# KiCad board inverter.kicad_pcb (continued)
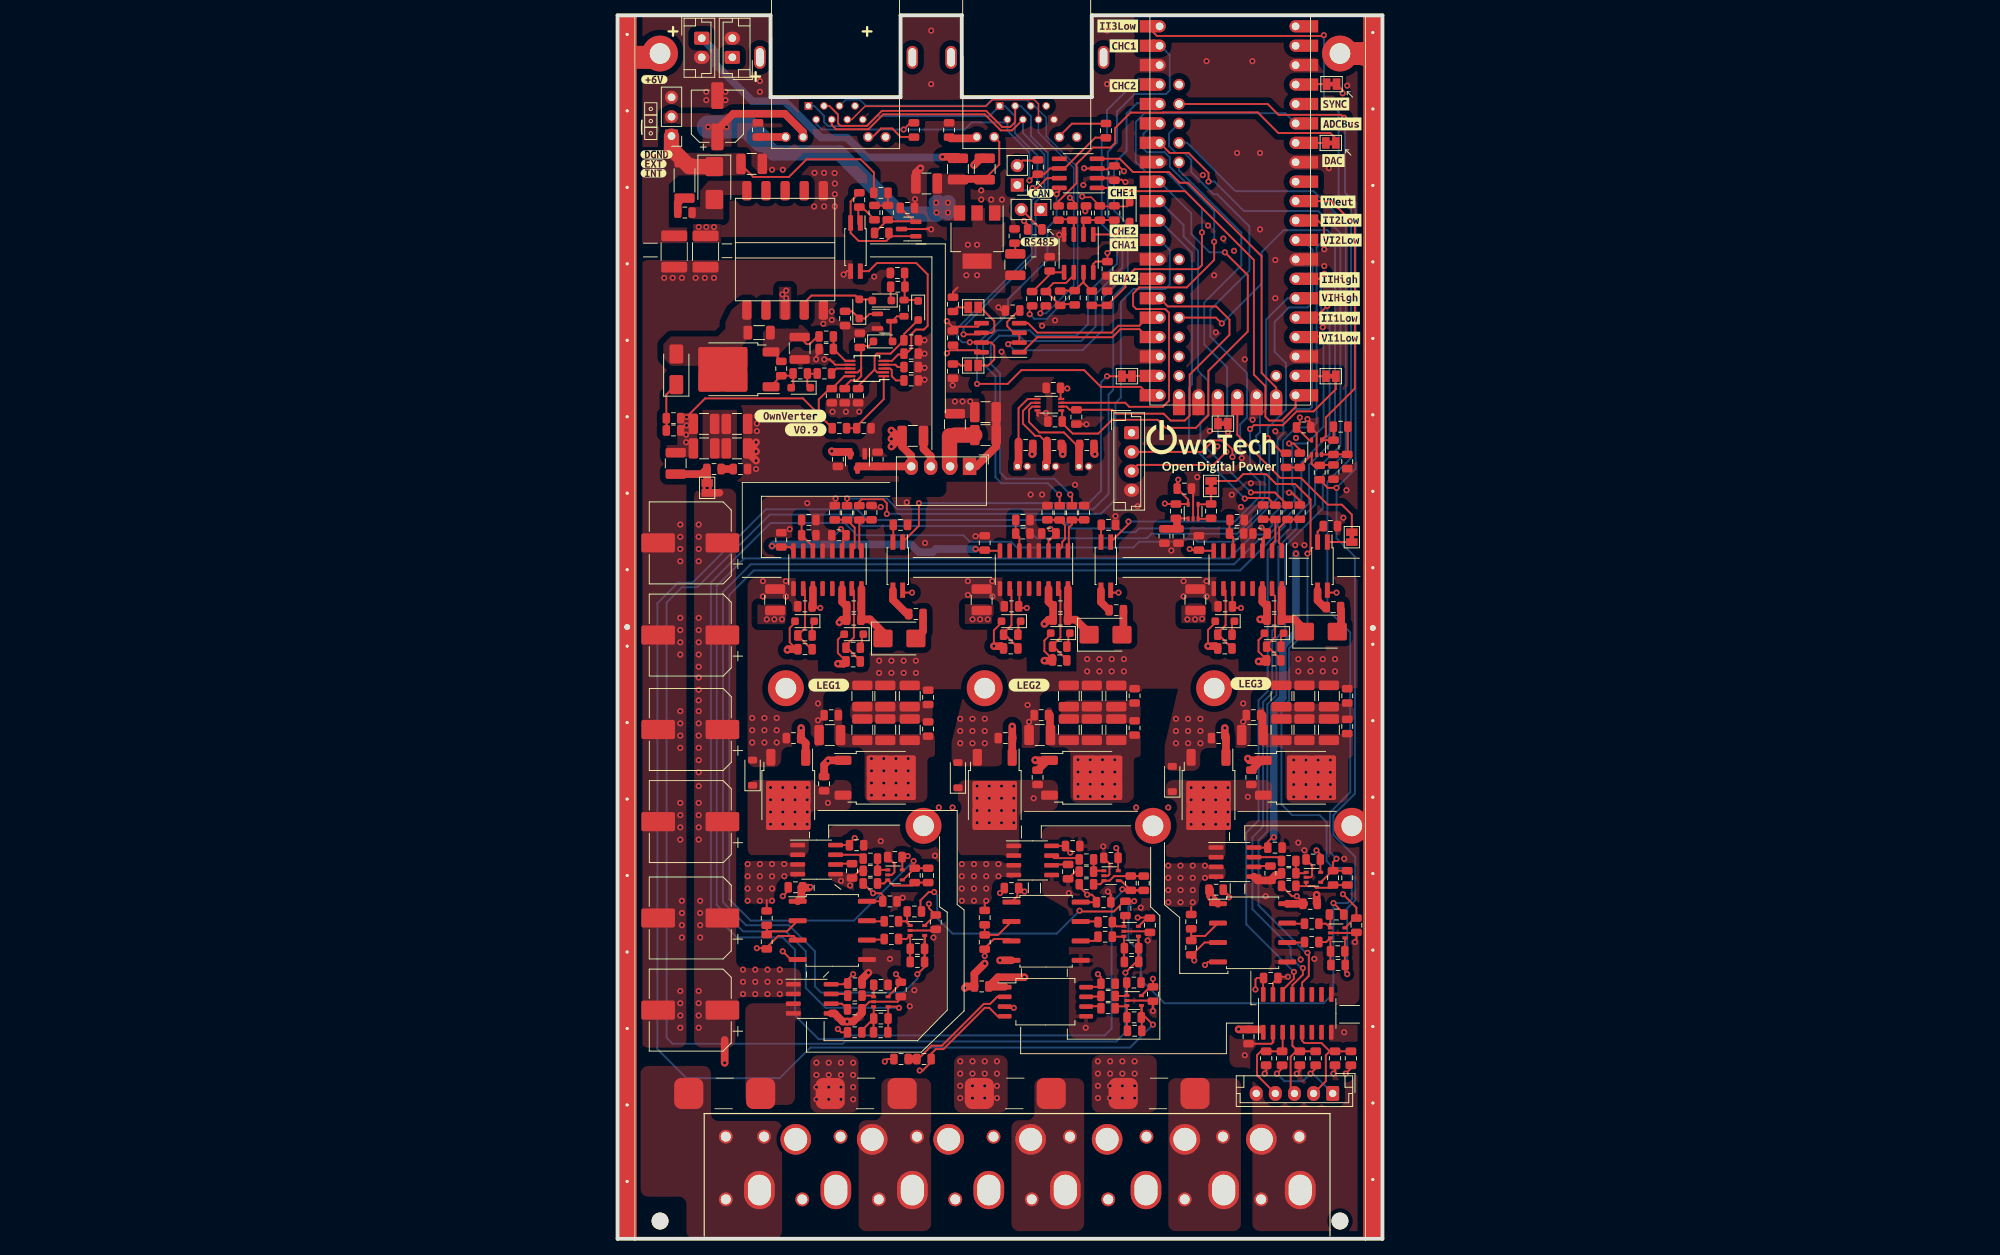
[diagram p0: board, top side]
## Routing (per net, layer and track width the routed paths; a pad name or vN(x,y) marks a point on that pad's centre or on a via; arc(x,y) is an arc through that point) (continued)
  Bottom w0.25: v1(78,130.4) 78,134.4 72.2,140.2 72.2,141.4 71.5,142.1 69.2,142.1 68.75,142.55 68.75,144.5 70.11,145.86 U401.6
/MCU/USART3_DE: length 57.4
  Top w0.25: R412.1 52.45,121.4 50.95,119.9 50.95,119.34 51.81,118.47 U405.3 U405.2 51.27,117.2 v1(51.06,116.99)
  Bottom w0.25: v1(51.06,116.99) 51.85,116.2 60.8,116.2 63.4,118.8 63.4,123.05 66.7,126.35 66.7,132.7 64.9,134.5 64.9,140.6 66.55,142.25 66.55,147.15 67.9,148.5 70.77,148.5 U401.5
/MCU/USART3_RX: length 18.4
  Top w0.25: 69.26,117.92 68.23,118.95 65.75,118.95 64.7,117.9 54.87,117.9 52.9,115.93 U405.1
/MCU/USART3_TX: length 18.1
  Top w0.25: U405.4 53.66,119.74 54.9,118.5 64.58,118.5 65.48,119.4 68.21,119.4 U401.16
/Phase1/I_Hall: length 3.8
  Top w0.25: R618.1 31.61,50.22 U605.7
/Phase1/PWM_H: length 10.7
  Top w0.25: 29.94,77.6 29.94,77.36 31.5,75.8 31.74,75.8 ; U603.15 30.9,84.74 30.9,78.64 29.86,77.6 ; 29.86,77.8 29.94,77.8
/Phase1/PWM_L: length 9.3
  Top w0.25: 25.44,77 23.56,78.88 23.56,79 23.65,79 24.5,79.85 24.5,84.79 U603.10
/Phase1/SW_Node: length 31.5
  Top w1: U603.14 29.34,83.31 C612.2 C615.2 29.36,80.96 v1(29,80.6)
  In2.Cu w1: v1(27.5,57.01) 27.5,57.1 31.2,60.8 31.2,78.4 v1(29,80.6)
  vias: v1(20,59.01) v1(20,57.41) v1(20,55.81) v1(20,54.21) v1(21.6,59.01) v1(21.6,57.41) v1(21.6,55.81) v1(21.6,54.21) v1(23.2,59.01) v1(23.2,57.41) v1(23.2,55.81) v1(23.2,54.21) v1(24.8,59.01) v1(24.8,57.41) v1(24.8,55.81) v1(24.8,54.21)
/Phase1/V_{ILow+}: length 5.9
  Top w0.25: R616.2 R617.1 ; U601.2 22.16,40.2 19.7,40.2 19.5,40.4
/Phase2/I_Hall: length 3.8
  Top w0.25: R718.1 60.2,49.78 57.08,49.78 U705.7
/Phase2/PWM_H: length 10.5
  Top w0.25: 58.74,76 58.46,76 56.86,77.6 57.9,78.64 57.9,84.74 U703.15
/Phase2/PWM_L: length 8.9
  Top w0.25: 52.34,77.6 52.06,77.6 50.46,79.2 51.5,80.24 51.5,84.79 U703.10
/Phase2/SW_Node: length 30.7
  Top w1: v1(55.8,80.4) 56.36,80.96 C715.2 C712.2 56.34,83.31 U703.14
  In2.Cu w1: v1(54.4,57.6) 57.8,61 57.8,77.2 55.8,79.2 v1(55.8,80.4)
  vias: v1(47,59.2) v1(47,57.6) v1(47,56) v1(47,54.4) v1(48.6,59.2) v1(48.6,57.6) v1(48.6,56) v1(48.6,54.4) v1(50.2,59.2) v1(50.2,57.6) v1(50.2,56) v1(50.2,54.4) v1(51.8,59.2) v1(51.8,57.6) v1(51.8,56) v1(51.8,54.4)
/Phase2/V_{ILow+}: length 5.6
  Top w0.25: U701.2 49.75,39.74 R717.1 R716.2
/Phase3/I_Hall: length 3.8
  Top w0.25: R818.1 86.31,49.9 U805.7
/Phase3/PWM_H: length 10.6
  Top w0.25: U803.15 85.72,84.88 85.72,84.28 85.97,84.03 85.97,78.7 84.86,77.6 86.46,76 86.74,76
/Phase3/PWM_L: length 8.9
  Top w0.25: U803.10 79.5,84.74 79.5,80.24 78.46,79.2 ; 78.46,79.1 80.06,77.5 ; 80.06,77.6 80.34,77.6
/Phase3/SW_Node: length 31.2
  Top w1: U803.14 84.3,83.31 C812.2 C815.2 84.86,81 v1(84,81)
  In2.Cu w1: v1(84,81) 83.6,80.6 83.6,78 86.2,75.4 86.2,63.85 82.4,60.05 v1(82.4,57.8)
  vias: v1(75,59) v1(75,57.4) v1(75,55.8) v1(75,54.2) v1(76.6,59) v1(76.6,57.4) v1(76.6,55.8) v1(76.6,54.2) v1(78.2,59) v1(78.2,57.4) v1(78.2,55.8) v1(78.2,54.2) v1(79.8,59) v1(79.8,57.4) v1(79.8,55.8) v1(79.8,54.2)
/Phase3/V_{ILow+}: length 5.7
  Top w0.25: 75,39.6 76.82,39.6 U801.2 ; R816.2 R817.1
/V_{I1Low_sense}: length 194.7
  Top w0.25: U604.4 40.15,39.4 ; 40.15,39.4 40.15,37.93 ; 40.15,39.4 40.15,35.55 v1(39.2,34.6) ; v1(87.8,104) 88.4,104 89.2,103.2 R490.2 ; R615.2 C610.2 ; U401.24 88.73,118 v1(92.2,118)
  Bottom w0.25: v1(92.2,118) 92.3,117.9 92.3,106.2 90.1,104 v1(87.8,104) 88.2,103.6 88.2,98.6 88.53,98.28 88.53,96.53 86.3,94.3 86.3,93.2 84.5,91.4 83.8,91.4 80.6,88.2 17.4,88.2 13.78,84.58 13.78,44.02 16.8,41 22.4,41 25.8,37.6 25.8,33 26.6,32.2 37.4,32.2 39.2,34 v1(39.2,34.6)
/V_{I2Low_sense}: length 265.4
  Top w0.25: v1(66.4,34.8) 68.1,36.5 U704.4 68.1,36.24 R715.2 ; R491.2 86.96,102.74 v1(85,104.7)
  Bottom w0.25: U401.29 89.57,130.62 90.85,129.34 90.85,122.42 90.22,121.8 87.8,121.8 85.9,119.9 85.9,116 87.4,114.5 87.4,108.44 85,106.04 v1(85,104.7) 85.2,104.5 85.2,96.4 81,92.2 69.8,92.2 69.2,91.6 54.8,91.6 53.2,93.2 32,93.2 30.5,94.7 19.9,94.7 10.4,85.2 8.4,85.2 6.4,83.2 6.4,26.3 7.2,25.5 29.44,25.5 29.74,25.8 65.2,25.8 66.4,27 v1(66.4,34.8)
/V_{I3Low_sense}: length 147.2
  Top w0.25: v1(95,146.6) 94.62,146.99 86.41,146.99 85,148.4 U401.42 ; v1(94,98.2) 92.86,98.2 R492.2 ; 95.1,35.84 U804.4 ; v1(95.4,34.6) 95.14,34.86 R815.2
  Bottom w0.25: v1(95.4,34.6) 95.4,43.21 96.45,44.26 96.45,49.95 93.6,52.8 93.6,55.4 96.4,58.2 96.4,89.2 94,91.6 v1(94,98.2) 96.5,100.7 96.5,135.4 95.1,136.8 95.1,146.5 v1(95,146.6)
/V_{IHigh_sense}: length 250.9
  Top w0.25: v1(70,28) 68.49,29.51 U203.4 68.54,30.45 C207.2
  Bottom w0.25: v1(70,28) 67,25 25.2,25 21.2,21 9,21 5.2,24.8 5.2,83.1 7.9,85.8 9.8,85.8 19.4,95.4 31.3,95.4 32.7,94 58.2,94 59.3,92.9 65.5,92.9 66,92.4 67.7,92.4 68.2,92.9 80.6,92.9 84.6,96.9 84.6,99.8 84,100.4 84,103.7 83.5,104.2 83.5,105 84,105.5 84,107.7 84.8,108.5 84.8,120.2 87.6,123 U401.26
/V_{IHigh}: length 41.1
  Top w0.25: R201.1 35.26,23.5 v1(34.94,23.18)
  Top w1: 29.09,65.93 C609.1 ; C709.1 56.54,65.94 56.54,68.47 ; 84.34,68.47 84.34,65.94 C809.1 ; JP501.1 13.31,97.55 ; v1(14,23) 14,26
  In2.Cu w0.25: v1(14,23) 20.5,16.5 34,16.5 35,17.5 35,23.12 v1(34.94,23.18)
  vias: v1(10.6,93.4) v1(10.6,91.8) v1(10.6,90.2) v1(10.6,88.6) v1(10.6,81.2) v1(10.6,79.6) v1(10.6,78) v1(10.6,76.4) v1(10.6,74.8) v1(10.6,73.4) v1(10.6,71.8) v1(10.6,70.4) v1(10.6,69) v1(10.6,67.4) v1(10.6,65.8) v1(10.6,64.2) v1(10.6,62.6) v1(10.6,61) v1(10.6,59.2) v1(10.6,57) v1(10.6,55.4) v1(10.6,53.8) v1(10.6,52.2) v1(10.6,32.4) v1(10.6,30.8) v1(10.6,29.2) v1(10.6,27.6) v1(10.8,44.2) v1(10.8,42.6) v1(10.8,41) v1(10.8,39.4) v1(16.4,35.2) v1(16.4,33.6) v1(16.4,32) v1(18,35.2) v1(18,33.6) v1(18,32) v1(19.6,35.2) v1(19.6,33.6) v1(19.6,32) v1(21.2,35.2) v1(21.2,33.6) v1(21.2,32) v1(33.2,62.8) v1(33.2,61.2) v1(33.2,59.6) v1(33.2,58) v1(34.8,62.8) v1(34.8,61.2) v1(34.8,59.6) v1(34.8,58) v1(36.4,62.8) v1(36.4,61.2) v1(36.4,59.6) v1(36.4,58) v1(38,62.8) v1(38,61.2) v1(38,59.6) v1(38,58) v1(60.2,62.64) v1(60.2,61.04) v1(60.2,59.44) v1(60.2,57.84) v1(61.8,62.64) v1(61.8,61.04) v1(61.8,59.44) v1(61.8,57.84) v1(63.4,62.64) v1(63.4,61.04) v1(63.4,59.44) v1(63.4,57.84) v1(65,62.64) v1(65,61.04) v1(65,59.44) v1(65,57.84) v1(88.4,62.6) v1(88.4,61) v1(88.4,59.4) v1(88.4,57.8) v1(90,62.6) v1(90,61) v1(90,59.4) v1(90,57.8) v1(91.6,62.6) v1(91.6,61) v1(91.6,59.4) v1(91.6,57.8) v1(93.2,62.6) v1(93.2,61) v1(93.2,59.4) v1(93.2,57.8)
/VRef: length 165.8
  Top w0.25: v1(60.4,42.9) 60.5,42.8 64.9,42.8 66.25,44.15 v1(67.55,44.15) ; R613.1 39.6,42.94 39.6,44.26 40.68,45.34 v1(41.4,45.34) ; JP502.2 80.9,99.1 81.8,100 84.8,100 86.1,98.7 88.6,98.7 90.6,96.7 90.6,90 v1(90.2,89.6) ; R813.1 94.94,42.56 v1(93.6,43.9)
  Bottom w0.25: v1(67.55,44.15) 66.8,43.4 66.8,39 68.4,37.4 68.4,33.9 71.5,30.8 92.3,30.8 93.6,32.1 v1(93.6,43.9) 95.45,43.9 96,44.45 96,47.5 95,48.5 93.6,48.5 92.7,49.4 92.7,54.5 91.8,55.4 88.2,55.4 86.8,56.8 86.8,69.4 87.8,70.4 87.8,77.2 90.2,79.6 v1(90.2,89.6) ; v1(41.4,45.34) 41.8,44.94 41.8,41.9 43.8,39.9 57.4,39.9 v1(60.4,42.9)
/~{STBY1}: length 47.7
  Top w0.25: v1(64,112.8) JP402.2 ; v1(39.4,96.2) 39.4,93.24 U602.1
  Bottom w0.25: v1(39.4,96.2) 61.6,96.2 63.2,97.8 63.2,112 v1(64,112.8)
/~{STBY2}: length 46.6
  Top w0.25: v1(82.7,105.9) 83.2,106.4 86.98,106.4 88.78,108.2 91,108.2 93.9,111.1 JP404.2 ; v1(66.8,93.8) 66.8,93.44 U702.1
  Bottom w0.25: v1(66.8,93.8) 80.7,93.8 84,97.1 84,99 82.7,100.3 v1(82.7,105.9)
/~{STBY3}: length 2.8
  Top w0.25: U802.1 95.51,91.11 95.6,91.2
Earth_Protective: length 6.6
  Top w3: 2.3,154.5 5.05,154.5 H107.1 ; H108.1 97.5,155 97.6,154.9
MOSS: length 4.3
  Top w0.25: 21.05,115.17 20.24,115.98 ; R510.1 24.72,117 25.11,117 26.11,118
Net-(#FLG0504-pwr): length 6.6
  Top w2: PS501.2 43.4,101.08 43.4,105 ; C525.1 L503.2
Net-(#FLG0601-pwr): length 8.5
  Top w1: D605.1 34.7,79.3 33,81 31.86,81 C615.1 31.89,81.02 U603.16
Net-(#FLG0701-pwr): length 7.5
  Top w1: 61.05,79 61.05,79.82 59.9,80.96 C715.1 ; U703.16 58.89,81.02
Net-(#FLG0801-pwr): length 7.9
  Top w0.25: 86.84,81.02 C815.1
  Top w1: U803.16 86.84,81.02 88.48,81.02 89.8,79.7 D805.1
Net-(C411-Pad1): length 7.7
  Top w0.25: 57.78,124 59.5,124 59.67,124.17 ; R470.2 60.92,125.02 U406.7 60.92,125.15 C411.1
Net-(C501-Pad2): length 1.6
  Top w1: C502.1 C501.2
Net-(C518-Pad2): length 2.4
  Top w1: C518.2 7.86,135.46 8.49,136.09 R513.1
Net-(C523-Pad2): length 1.2
  Top w0.25: C523.2 52,130
Net-(D403-A): length 5.5
  Top w0.25: U406.1 65.15,131.34 66.95,133.14
Net-(D501-A): length 14.3
  Top w0.25: 33.6,113.66 33.6,115.45 33.9,115.75 35.69,115.75 NTC501.1 37.44,118.29 D501.2 ; 33.6,113.66 31.45,111.51 ; 33.6,113.66 33.96,113.3 U501.2
Net-(D502-A): length 4.8
  Top w0.25: 37.55,120.64 36.54,120.64 35.7,119.8 35.7,117.6 D502.2
Net-(D503-A): length 5.5
  Top w0.25: 22.97,113.02 22.97,111.38 22.9,111.3 ; 19.96,111.42 R508.2 22.68,112.86 22.97,113.16
Net-(D503-K): length 3.3
  Top w0.25: 26.12,113.12 24.84,113.12 24.8,113.16 24.8,111.5 25,111.3
Net-(D504-K): length 7.3
  Top w0.25: D504.1 6.37,110.4 C514.2 ; 6.4,106.55 6.4,105.71 ; 6.4,107.12 6.4,105.56
Net-(D505-A): length 10.6
  Top w0.25: T501.2 24.4,122.4 25.35,123.35 31.1,123.35 D506.2 32.8,122.85 33.3,122.35
Net-(D505-K): length 1.8
  Top w0.25: R511.2 35.7,122.8 D505.1
Net-(D506-K): length 4.9
  Top w0.25: R512.1 30.66,121.29 D506.1 32.35,120.35 32.95,120.95 Q501.1
Net-(D601-A): length 23.6
  Top w0.25: 23.56,77 23.5,77 22.5,78 22.5,79.87 23.4,80.76
  Top w1: v1(24,66.8) 24,65.54 R608.2 24.6,64.81 24.6,64.72 ; R604.2 22.3,77.1 v1(22.2,77) ; Q602.1 24.59,64.52
  In2.Cu w1: v1(24,66.8) 21.2,69.6 20.5,69.6 19.4,70.7 19.4,74.2 v1(22.2,77)
Net-(D601-K): length 1.8
  Top w0.25: 25.44,79 25.44,80.7 25.5,80.76
Net-(D602-A): length 24.1
  Top w0.25: 29.71,79.26 28.8,78.35 28.8,76.6 29.86,75.54 R602.2
  Top w1: R602.2 29.56,75.2 v1(28.8,75.2) ; Q601.1 27.59,62.57 v1(27.5,62.47) 27,61.97 R607.2
  In2.Cu w1: v1(28.8,75.2) 29.8,74.2 29.8,64.78 v1(27.5,62.47)
Net-(D602-K): length 1.5
  Top w0.25: 31.93,79.26 31.93,77.99 31.74,77.8
Net-(D605-A): length 3.4
  Top w1: 39.94,81.5 39.94,79.44 D605.2
Net-(D701-A): length 26.1
  Top w0.25: 50.46,77.3 R704.2 ; 50.4,80.76 49.2,79.57 v1(49.2,77.5)
  Top w1: v1(49.2,77.5) 50.16,77.5 R704.2 ; v1(51.6,67) 51.6,65.51 R708.2 51.59,65.43 Q702.1
  In2.Cu w1: v1(49.2,77.5) 48,77.5 45.2,74.7 45.2,71.2 46.9,69.5 49.1,69.5 v1(51.6,67)
Net-(D701-K): length 1.6
  Top w0.25: 52.34,79.2 52.4,79.26 52.4,80.67 52.5,80.76
Net-(D702-A): length 24
  Top w0.25: 56.86,76 56.65,76 55.8,76.85 55.8,78.23 56.83,79.26
  Top w1: v1(54.6,62.6) 54.63,62.57 Q701.1 56.21,62.57 R707.2 ; 56.86,76 56.86,75.7 56.76,75.6 v1(55.8,75.6)
  In2.Cu w1: v1(54.6,62.6) 55,62.6 56.5,64.1 56.5,74.9 v1(55.8,75.6)
Net-(D702-K): length 1.7
  Top w0.25: 58.93,79.2 58.93,77.73 58.74,77.54
Net-(D705-A): length 3.5
  Top w1: R714.1 66.14,79.79 65.35,79
Net-(D801-A): length 23.3
  Top w0.25: 78.35,80.76 77.2,79.62 v1(77.2,77.5)
  Top w1: v1(79.4,66.8) 79.4,65.6 R808.2 79.55,65.45 Q802.1 ; v1(77.2,77.5) 78.16,77.5 R804.2
  In2.Cu w1: v1(79.4,66.8) 79.4,68 77.9,69.5 76.4,69.5 75.1,70.8 75.1,75.4 v1(77.2,77.5)
Net-(D801-K): length 1.6
  Top w0.25: 80.34,79.2 80.34,80.65 80.45,80.76
Net-(D802-A): length 23.6
  Top w0.25: 84.78,79.26 83.8,78.28 83.8,76.8 84.6,76 84.86,76
  Top w1: 84.86,75.7 84.66,75.5 v1(83.8,75.5) ; v1(82.4,62.8) 82.63,62.57 Q801.1 84.16,62.57 R807.2
  In2.Cu w1: v1(82.4,62.8) 84.6,65 84.6,74.7 v1(83.8,75.5)
Net-(D802-K): length 1.8
  Top w0.25: 86.74,79.12 86.88,79.26 86.82,79.2 ; 86.74,77.53 86.74,79.05
Net-(D805-A): length 3.1
  Top w1: D805.2 94.6,79.9 94.6,82.26
Net-(F601-Pad1): length 1.4
  Top w0.25: R616.1 19.5,44.3
  vias: v1(17,49) v1(17,47.4) v1(17,45.8) v1(17,44.2) v1(18.6,49) v1(18.6,47.4) v1(18.6,45.8) v1(18.6,44.2) v1(20.2,49) v1(20.2,47.4) v1(20.2,45.8) v1(20.2,44.2) v1(21.8,49) v1(21.8,47.4) v1(26,23.03) v1(26,21.43) v1(26,19.83) v1(26,18.23) v1(27.6,23.03) v1(27.6,21.43) v1(27.6,19.83) v1(27.6,18.23) v1(29.2,23.03) v1(29.2,21.43) v1(29.2,19.83) v1(29.2,18.23) v1(30.8,23.03) v1(30.8,21.43) v1(30.8,19.83) v1(30.8,18.23)
Net-(F701-Pad1): length 1.3
  Top w0.25: R716.1 48,44.2
  vias: v1(44.8,23.2) v1(44.8,21.6) v1(44.8,20) v1(44.8,18.4) v1(45,49) v1(45,47.4) v1(45,45.8) v1(45,44.2) v1(46.4,23.2) v1(46.4,21.6) v1(46.4,20) v1(46.4,18.4) v1(46.6,49) v1(46.6,47.4) v1(46.6,45.8) v1(46.6,44.2) v1(48,23.2) v1(48,21.6) v1(48,20) v1(48,18.4) v1(48.2,49) v1(48.2,47.4) v1(48.2,45.8) v1(48.2,44.2) v1(49.6,23.2) v1(49.6,21.6) v1(49.6,20) v1(49.6,18.4) v1(49.8,49) v1(49.8,47.4)
Net-(F801-Pad1): length 1
  Top w0.25: R816.1 75,43.4
  vias: v1(62.8,23.2) v1(62.8,21.6) v1(62.8,20) v1(62.8,18.4) v1(64.4,23.2) v1(64.4,21.6) v1(64.4,20) v1(64.4,18.4) v1(66,23.2) v1(66,21.6) v1(66,20) v1(66,18.4) v1(67.6,23.2) v1(67.6,21.6) v1(67.6,20) v1(67.6,18.4) v1(72,48.8) v1(72,47.2) v1(72,45.6) v1(72,44) v1(73.6,48.8) v1(73.6,47.2) v1(73.6,45.6) v1(73.6,44) v1(75.2,48.8) v1(75.2,47.2) v1(75.2,45.6) v1(75.2,44) v1(76.8,48.8) v1(76.8,47.2)
Net-(J401-Pin_1): length 40.8
  Top w1: 44.5,141.49 v1(42.49,141.49)
  Bottom w1: 42.4,141.4 32.6,141.4 30,144 26.6,144 21.82,148.78 17.62,148.78 12.8,153.6 12.8,155.2 J401.1
Net-(J402-Pin_1): length 45.2
  Top w1: 48,141.4 47.6,141.4 v1(46.6,140.4)
  In2.Cu w1: v1(46.6,140.4) 43.4,143.6 41.4,143.6 39.4,141.6 20.6,141.6 16.8,145.4 16.8,152.7 J402.1
Net-(J403-Pad9): length 3.5
  Top w1: 18.35,144.09 21.86,144.09 21.87,144.09
Net-(J403-Pad11): length 7
  Top w0.25: 32.66,144.09 33.34,144.09 34.45,145.2 35.9,145.2 37.01,144.09 38.75,144.09
Net-(J404-Pad9): length 3.4
  Top w1: 46.87,144.09 46.68,143.9 43.54,143.9
Net-(J404-Pad11): length 6.9
  Top w0.25: 57.66,144.09 59.4,145.82 63.85,145.82
Net-(JP401-B): length 3.1
  Top w0.25: 55.06,141 52.92,141 JP401.2
Net-(JP403-B): length 3.8
  Top w0.25: JP403.2 55.39,132 R410.1
Net-(JP408-A): length 2.2
  Top w0.25: JP408.1 44.39,121.8 R409.2
Net-(JP409-B): length 2.1
  Top w0.25: R411.1 44.65,114.4 44.85,114.2 JP409.2
Net-(JP417-B): length 46.6
  Top w0.25: 93.9,143 93.9,143.9 93.2,144.6 86.4,144.6 83.7,147.3 71.36,147.3 71.34,147.28 67.12,147.28 67.1,147.3 65.05,145.25 65.05,143.3 64.45,142.7 62.15,142.7 60,140.55 60,138.03 57.65,135.68 R413.1
Net-(JP501-B): length 6.2
  Top w1: JP501.2 11.71,100.62 C501.1 11.01,100 L501.1
Net-(JP502-A): length 6.9
  Top w0.25: 77.56,96.05 U506.4 U506.3 77.54,94.15 ; C531.1 JP502.1
Net-(R514-Pad1): length 3.4
  Top w0.25: 35.34,136.78 35.34,135.11 33.59,135.11
Net-(R514-Pad2): length 5.1
  Top w0.25: 31.47,132.69 31.47,134.92 31.6,135.05 31.83,135.05 33.59,133.28
Net-(R610-Pad2): length 2.3
  Top w0.25: R610.2 36.05,91.16 U602.2
Net-(R614-Pad2): length 4.2
  Top w1: U602.3 36,83.56 38.06,81.5
Net-(R710-Pad2): length 2.3
  Top w0.25: R710.2 63.2,93.31 U702.2
Net-(R714-Pad2): length 3.1
  Top w1: U702.3 63.2,83.26 R714.2
Net-(R810-Pad2): length 2.4
  Top w0.25: R810.2 91.53,92.46 U802.2
Net-(R814-Pad2): length 2.8
  Top w1: R814.2 92.4,82.6 91.53,83.47 U802.3
Net-(U201-VOUTN): length 1.7
  Top w0.25: 61.26,30.41 62.94,30.41
Net-(U201-VOUTP): length 2
  Top w0.25: R203.1 63.13,31.68 61.26,31.68
Net-(U202-FILTER): length 2.4
  Top w0.25: C204.2 29.32,30.74 U202.6
Net-(U203-+): length 3.2
  Top w0.25: R203.2 66.54,31.75 U203.1 66.59,33.47 R205.2
Net-(U203--): length 5
  Top w0.25: R204.2 65.33,30.4 66.49,30.4 U203.3 66.59,27.28 C207.1
Net-(U204-+): length 3.1
  Top w0.25: R211.1 33.49,31.66 U204.1 33.33,31.8 R209.2
Net-(U204--): length 5.6
  Top w0.25: 33.46,27.2 33.46,28.78 C217.1 ; C217.1 31.94,27.25 R210.2 ; C217.1 33.49,30.34
Net-(U406A-+): length 4
  Top w0.25: 59.65,133.32 57.78,133.32 R413.2 ; R417.1 59.65,133 U406.3
Net-(U406A--): length 8
  Top w0.25: 65.28,133.38 65.14,133.24 61.44,133.24 ; 62.92,133.22 65.36,133.22 ; U406.2 60.92,132.96
Net-(U406B-+): length 4.9
  Top w0.25: R419.1 54.28,123.88 56.5,126.1 ; U406.5 56.67,126.39
Net-(U406B--): length 9
  Top w0.25: 59.65,126.01 58.64,125 57,125 56,124 R418.1 56.06,123.88 R415.2 ; 59.67,122.27 59.62,122.22 57.87,122.22
Net-(U490--): length 6.8
  Top w0.25: U490.3 92.06,102.56 R495.2 93.61,102.58 R494.2 95.47,102.65 95.47,106
Net-(U501-CS): length 4.5
  Top w0.25: 28.19,118 28.22,117.96 28.22,116.36 29.78,114.8 U501.6
Net-(U501-DRV): length 2.7
  Top w0.25: 27.95,113.16 28.59,113.8 U501.8
Net-(U501-RT): length 2.8
  Top w0.25: R503.1 37.43,114.01 36.61,114.01 36.32,114.3 U501.4
Net-(U501-SS): length 3.8
  Top w0.25: C508.1 36.4,112.25 35.85,112.8 35.85,113.6 35.65,113.8 U501.3
Net-(U501-UVLO): length 9.6
  Top w0.25: U501.1 34.8,109.8 31.26,106.26 R502.1 R501.2
Net-(U503-K): length 15.5
  Top w0.25: 35.5,131.11 38.99,131.11 U503.1 ; 31.6,136.77 30.47,135.64 U502.2 30.47,131.53 31.51,130.49 35.13,130.49 35.49,130.85 35.49,131.53
Net-(U503-REF): length 9.1
  Top w0.25: 35.34,133.28 33.59,131.53 ; 36.99,134.81 38.8,133 U503.2 38.94,133.06 35.15,133.06
Net-(U506-+): length 5
  Top w0.25: U506.1 74.54,94.21 72.72,94.21
  Top w1: R521.1 C529.2 73.15,93.02 73.15,94.06
Net-(U601-VOUTN): length 2.3
  Top w0.25: 32.6,39.06 32.66,39.12 34.86,39.12
Net-(U601-VOUTP): length 2.3
  Top w0.25: U601.7 32.68,41.51 R611.1
Net-(U603-DT): length 4.6
  Top w0.25: R609.2 C607.1 25.53,90.53 U603.6
Net-(U603-INA): length 5.8
  Top w0.25: C603.2 31.62,94.03 R605.2 31.6,90.26 U603.1
Net-(U603-INB): length 6.2
  Top w0.25: C604.1 29.97,94.03 R606.2 31,93 31,90.36 U603.2
Net-(U604-+): length 3.7
  Top w0.25: R611.2 37.7,41.51 U604.1 37.86,41.35 R613.2
Net-(U604--): length 5.2
  Top w0.25: R612.2 37.78,39.2 U604.3 38.25,36.21 R615.1
Net-(U605-VZCR): length 2.2
  Top w0.25: 28.5,48.94 28.61,49.05 C617.2
Net-(U606-+): length 3
  Top w0.25: R618.2 R620.1 34.11,48.24 U606.1
Net-(U606--): length 7.2
  Top w0.25: R619.2 34.86,46.47 U606.3 36.06,46.2 38.47,46.2 R621.1 40.52,46.58
Net-(U701-VOUTN): length 2.5
  Top w0.25: U701.6 62.26,38.95 R712.1
Net-(U701-VOUTP): length 2.1
  Top w0.25: 60.6,41.5 62.72,41.5
Net-(U703-DT): length 4.2
  Top w0.25: R709.2 52.05,93.99 C707.1 52.53,91.74 U703.6
Net-(U703-INA): length 5.8
  Top w0.25: U703.1 59,90.09 59,93 59.4,93.4 R705.2 59.42,94.03 C703.2
Net-(U703-INB): length 6.3
  Top w0.25: C704.1 56.22,94 R706.2 58.5,93.3 58.5,91.5 58.14,91.14 58.14,90.5 U703.2
Net-(U704-+): length 3.4
  Top w0.25: R711.2 65.24,40.86 U704.1 66.2,42.56
Net-(U704--): length 4.9
  Top w0.25: R712.2 66.14,39.5 U704.3 66.2,36.26 R715.1
Net-(U705-VZCR): length 2.2
  Top w0.25: U705.6 56.86,48.95 C717.2
Net-(U706-+): length 3
  Top w0.25: U706.1 62.36,48.13 R720.1 R718.2
Net-(U706--): length 7
  Top w0.25: R719.2 63.11,46.36 U706.3 64.33,46.83 64.93,47.43 R721.1
Net-(U801-VOUTN): length 2.3
  Top w0.25: U801.6 89.75,38.74 R812.1
Net-(U801-VOUTP): length 2.3
  Top w0.25: R811.1 87.63,41.2 U801.7
Net-(U803-DT): length 4.3
  Top w0.25: U803.6 80.48,91.74 C807.1 80,93.94 R809.2
Net-(U803-INA): length 6.3
  Top w0.25: U803.1 86.84,90.67 86.5,91 86.5,92.96 R805.2 89.18,94.06 C803.2
Net-(U803-INB): length 5.9
  Top w0.25: U803.2 85.56,90.86 86,91.3 R806.2 84.42,94.06 C804.1
Net-(U804-+): length 3.2
  Top w0.25: R811.2 92.65,41.2 U804.1 93.2,42.01 93.15,42.06
Net-(U804--): length 5.1
  Top w0.25: R812.2 92.65,38.8 U804.3 93.2,36.06 93.26,36
Net-(U805-VZCR): length 2.2
  Top w0.25: U805.6 83.31,48.74 C817.2
Net-(U806-+): length 3
  Top w0.25: U806.1 89.91,47.8 R820.1 R818.2
Net-(U806--): length 7.5
  Top w0.25: R819.2 88.72,46.12 90.03,46.12 ; 90.03,46.12 U806.3 ; 90.03,46.12 91.09,46.12 91.3,45.9 93.19,45.9 R821.1 C818.1

## Copper pours and planes (outline as drawn; the poured copper is in the pictures)
+3.3V_DGND on In2.Cu: 65.6,160.34 65.6,149.4 31.6,149.2 31.6,143 49.2,143 49.2,98.4 100.4,98.4 100.5,160.5
+5V_DGND on Top: 50.7,123.7 43.8,123.7 43.8,132.3 46.4,132.3 46.4,134.8 50.7,134.8
+5V_DGND on Top: 42.9,109.9 42.9,107.3 47.3,107.3 47.3,109.9
+5V_DGND on Bottom: 56,53.2 56,47 59,44.5 59,26 70.5,26 70.5,53.2
+5V_DGND on Bottom: 27.5,52.9 27.5,47 31.5,45 31.5,35 30.3,35 30.3,33.2 28.3,33.2 28.3,26 43,26 43,52.9
+5V_DGND on Bottom: 82.5,54.7 82.5,47.5 85.5,45 85.5,35.5 40,35.5 40,26 97,26 97,54.7
+5V_DGND on In2.Cu: 48.6,142.1 48.5,97.9 97.5,98 97.5,89 43,89 43,142.1
+5V_DGND on In3.Cu: 100,88.8 42.4,88.9 42.4,160.2 100.05,160.19
+6V on Top: 45.4,133.1 42.6,133.1 41.2,134.4 41.2,139.3 45.4,139.3
+6V on Top: 14.9,142.8 11.1,142.8 11.1,145.4 6,145.4 6,147.2 14.9,147.2
+12V_PGND on Top: 45.4,83 49.2,83 49.2,80.4 45.4,80.4
+12V_PGND on Top: 73.7,83.1 76.9,83.1 76.9,80.5 73.7,80.5
+12V_PGND on Top: 18.28,82.97 22.08,82.97 22.08,80.37 18.28,80.37
+12V_PGND on In3.Cu: 26.8,89 26.8,106.5 40.8,106.5 40.8,87 97,87 97,74 18,74 18,89
/Feeder/+6VJP on Top: 16.7,139.06 8,139.06 6.7,137.86 6.7,132.26 9.1,132.26 9.1,130.21 3.2,130.2 3.2,142.01 16.71,142
DGND on Top: 39,51.4 37.6,54.1 27.6,54.1 27.6,47 32,45 32,35 34,34 34,29 28,29 28,26 39.2,26 43,29.9 43,42.8 42.1,43.4 42.1,51.4
DGND on Top: 82,54.7 82,45 85.5,43 85.5,35.5 83.2,34.5 83.2,30.6 97,30.6 97,54.7
DGND on Top: 13.5,130.21 9.9,130.21 9.9,132.71 13.5,132.71
DGND on Top: 0,160 0,131 43,131 43,97 18.8,97 18.8,89.1 97,89 97,160
DGND on Top: 55.5,53.9 55.5,45 59,43 59,26.2 70.5,26.2 70.5,42.3 69.7,42.3 69.7,53.9
DGND on Bottom: 99.85,-0.2 -0.15,-0.2 -0.05,160 99.95,160
DGND on In1.Cu: 27.6,46.9 27.6,54.1 42.1,54.1 42.2,43.5 43.1,42.8 43.2,30 39.2,25.9 26.9,25.9 27,34 31.6,35.1 31.5,45
DGND on In1.Cu: 3,160 98,160 98,89 20,89 20,97 43,97 43,130 3,130
DGND on In1.Cu: 82.8,35.3 85.5,35.3 85.5,43 82,45 82,54.6 97.5,54.6 97.5,30.8 82.8,30.8
DGND on In1.Cu: 55.5,54 69.7,54 69.7,43.4 70.9,42.2 70.9,26.1 58.8,26.1 58.8,43.1 55.5,45.1
DGND on In2.Cu: 2,130.2 42,130.2 42,147 77,147 77,161 2,161
DGND on In3.Cu: 40.8,130.2 30.3,130.2 30.3,138.06 13.5,138.06 13.5,130.26 -0.1,130.26 -0.1,160.06 40.8,160.06
DGND on In4.Cu: -4,164 102,164 102,-1 -4,-1
PGND on Top: 43.67,64.97 45.7,73.18 68.58,73.18 68.6,71.6 55.2,71.58 55.2,64.18 50.47,64.18 50.47,61.78 43.67,61.78
PGND on Top: 17,73.08 41.2,73.08 41.2,71.71 26.9,71.76 26.9,64.33 21.4,64.33 21.4,61.67 17,61.67
PGND on Top: 18.41,105.16 16.61,105.16 16.61,107.76 18.41,107.76
PGND on Top: 3,128 41,128 41,99 15,99 15,108.8 5.6,108.8 5.6,101.2 9,101.2 9,25 3,25
PGND on Top: 27.5,114.01 22.5,114.01 22.5,115.51 27.5,115.51
PGND on Top: 80,28 80,22.4 83,22.4 83,1 98,1 98,28
PGND on Top: 17,86.4 97,86.6 97,72 17,71.8
PGND on Top: 71.53,64.47 73.58,73.18 96.28,73.18 96.28,71.98 82.8,72 82.8,64.18 76.17,64.18 76.17,61.18 71.53,61.18
PGND on In1.Cu: 52.5,52 52.5,23.9 39.4,24 45.3,29.8 45.3,43.1 44.5,43.7 44.4,52
PGND on In1.Cu: 40.9,128 40.92,99 18,99 18,86 97,86 96.9,56 24.8,56 24.8,24.4 79.7,24.1 79.7,28.12 97.4,28.1 97.5,0.5 2.4,0.4 2.4,127.9
PGND on In1.Cu: 79.8,52 79.8,34.8 73.5,34.8 73.5,42 71.5,43.6 71.6,52
PGND on In2.Cu: 99,0 0,0 0,128 42,128 42,98 99,98
PGND on In3.Cu: 18,89.8 26,89.9 26,99.3 2.75,99.25 2.55,1.6 97.3,1.5 97.3,16 40,16 39.95,23.7 33.95,23.7 34,16.75 21.8,16.75 21.8,24.2 9.2,24.2 9,94.6 18,94.6
PGND on In3.Cu: 40.8,107.06 26,107.1 26,98.96 -0.1,98.96 -0.1,128.26 15.5,128.26 15.5,136.06 28.3,136.06 28.3,128.4 40.8,128.4
PGND on In3.Cu: 79,15 79,51 18,51 18,57 97,57 97,15
/Feeder/input on Top: 10.4,108 7.8,108 7.8,103.8 6.4,103.8 6.4,102.2 10.4,102.2
/Feeder/input on Top: 22.7,120.2 21.1,120.2 21.1,124.5 22.7,124.5
/Feeder/input on In3.Cu: 22.9,120.01 13,120 10.2,117.2 10.3,103.51 7,103.6 7,120.2 11.8,124.76 22.9,124.76
/High_side/V_{IHighIN} on Top: 3,22.6 3,5.5 9,5.5 9,0 21.5,0 21.5,15.4 12.2,15.4 12.2,22.6
/Phase1/SW_Node on Top: 17,60 30.6,60 30.6,56 25,56 25,50 17,50
/Phase1/SW_Node on Bottom: 25.6,53.4 19.1,53.4 19.1,60 25.6,60
/Phase2/SW_Node on Top: 44.5,60 57.6,60 57.6,56 52.5,56 52.5,50 44.5,50
/Phase2/SW_Node on Bottom: 52.6,53.6 46.1,53.6 46.1,60 52.6,60
/Phase3/SW_Node on Top: 71.7,60 85.6,60 85.6,56 79.5,56 79.5,49.5 71.7,49.5
/Phase3/SW_Node on Bottom: 80.5,53.4 74.2,53.4 74.2,60 80.5,60
/Phase A on Top: 34.5,21 34.5,15.5 31.5,15.5 31.5,1 41,1 41,21
/Phase B on Top: 54.5,21 54.5,15.5 51.5,15.5 51.5,1 61,1 61,21
/Phase C on Top: 72,21 72,1 81.5,1 81.5,21
/V_{IHigh} on Top: 15.5,35.4 24,35.4 24,31.6 15.4,31.6 15.4,25 10,25 10,98.1 15.5,98.1
/V_{IHigh} on Top: 40.5,57.01 40.5,62.97 41.5,62.97 41.5,66.21 39.9,66.21 39.9,66.01 29.35,66.01 29.35,69.51 28.3,69.51 28.3,64.26 32.3,64.26 32.3,57.01
/V_{IHigh} on Top: 67.5,57.01 67.5,62.97 68.4,62.97 68.4,66.41 66.8,66.41 66.8,66.01 56.85,66.01 56.85,69.51 56,69.51 56,64.26 59.2,64.26 59.2,57.01
/V_{IHigh} on Top: 95.53,57.01 95.53,62.97 96.12,62.97 96.12,66.41 94.72,66.41 94.72,66.01 84.58,66.01 84.58,69.51 83.72,69.51 83.72,64.26 87.32,64.26 87.32,57.01
/V_{IHigh} on Bottom: 39,63.6 39,57.1 32.1,57.1 32.1,63.6
/V_{IHigh} on Bottom: 65.8,57 59.1,57 59.1,63.3 65.8,63.3
/V_{IHigh} on Bottom: 94,57.2 87.5,57.2 87.5,63.3 94,63.3
/V_{IHigh} on In3.Cu: 2.8,95 2.8,25 15.9,25 15.9,31.6 21.7,31.6 21.7,35.8 15.5,35.8 15.5,50.9 16.5,52 16.5,57.5 97,57.5 97,72.4 16.5,72.4 16.5,95
MOSD on Top: 17.49,122.74 17.5,117.86 16.2,117.26 16.2,114.16 5.98,114.16 5.98,118.01 14.1,118.01 14.1,120.85 16.4,122.72
MOSS on Top: 25.12,117.42 22.08,117.42 22.08,115.73 19,115.73 19,119.51 25.12,119.51
Net-(C503-Pad2) on Top: 14.71,102.06 12.21,102.06 12.21,107.96 14.71,107.96
